# Allegro board 6089-103-RevB_76.brd (continued)
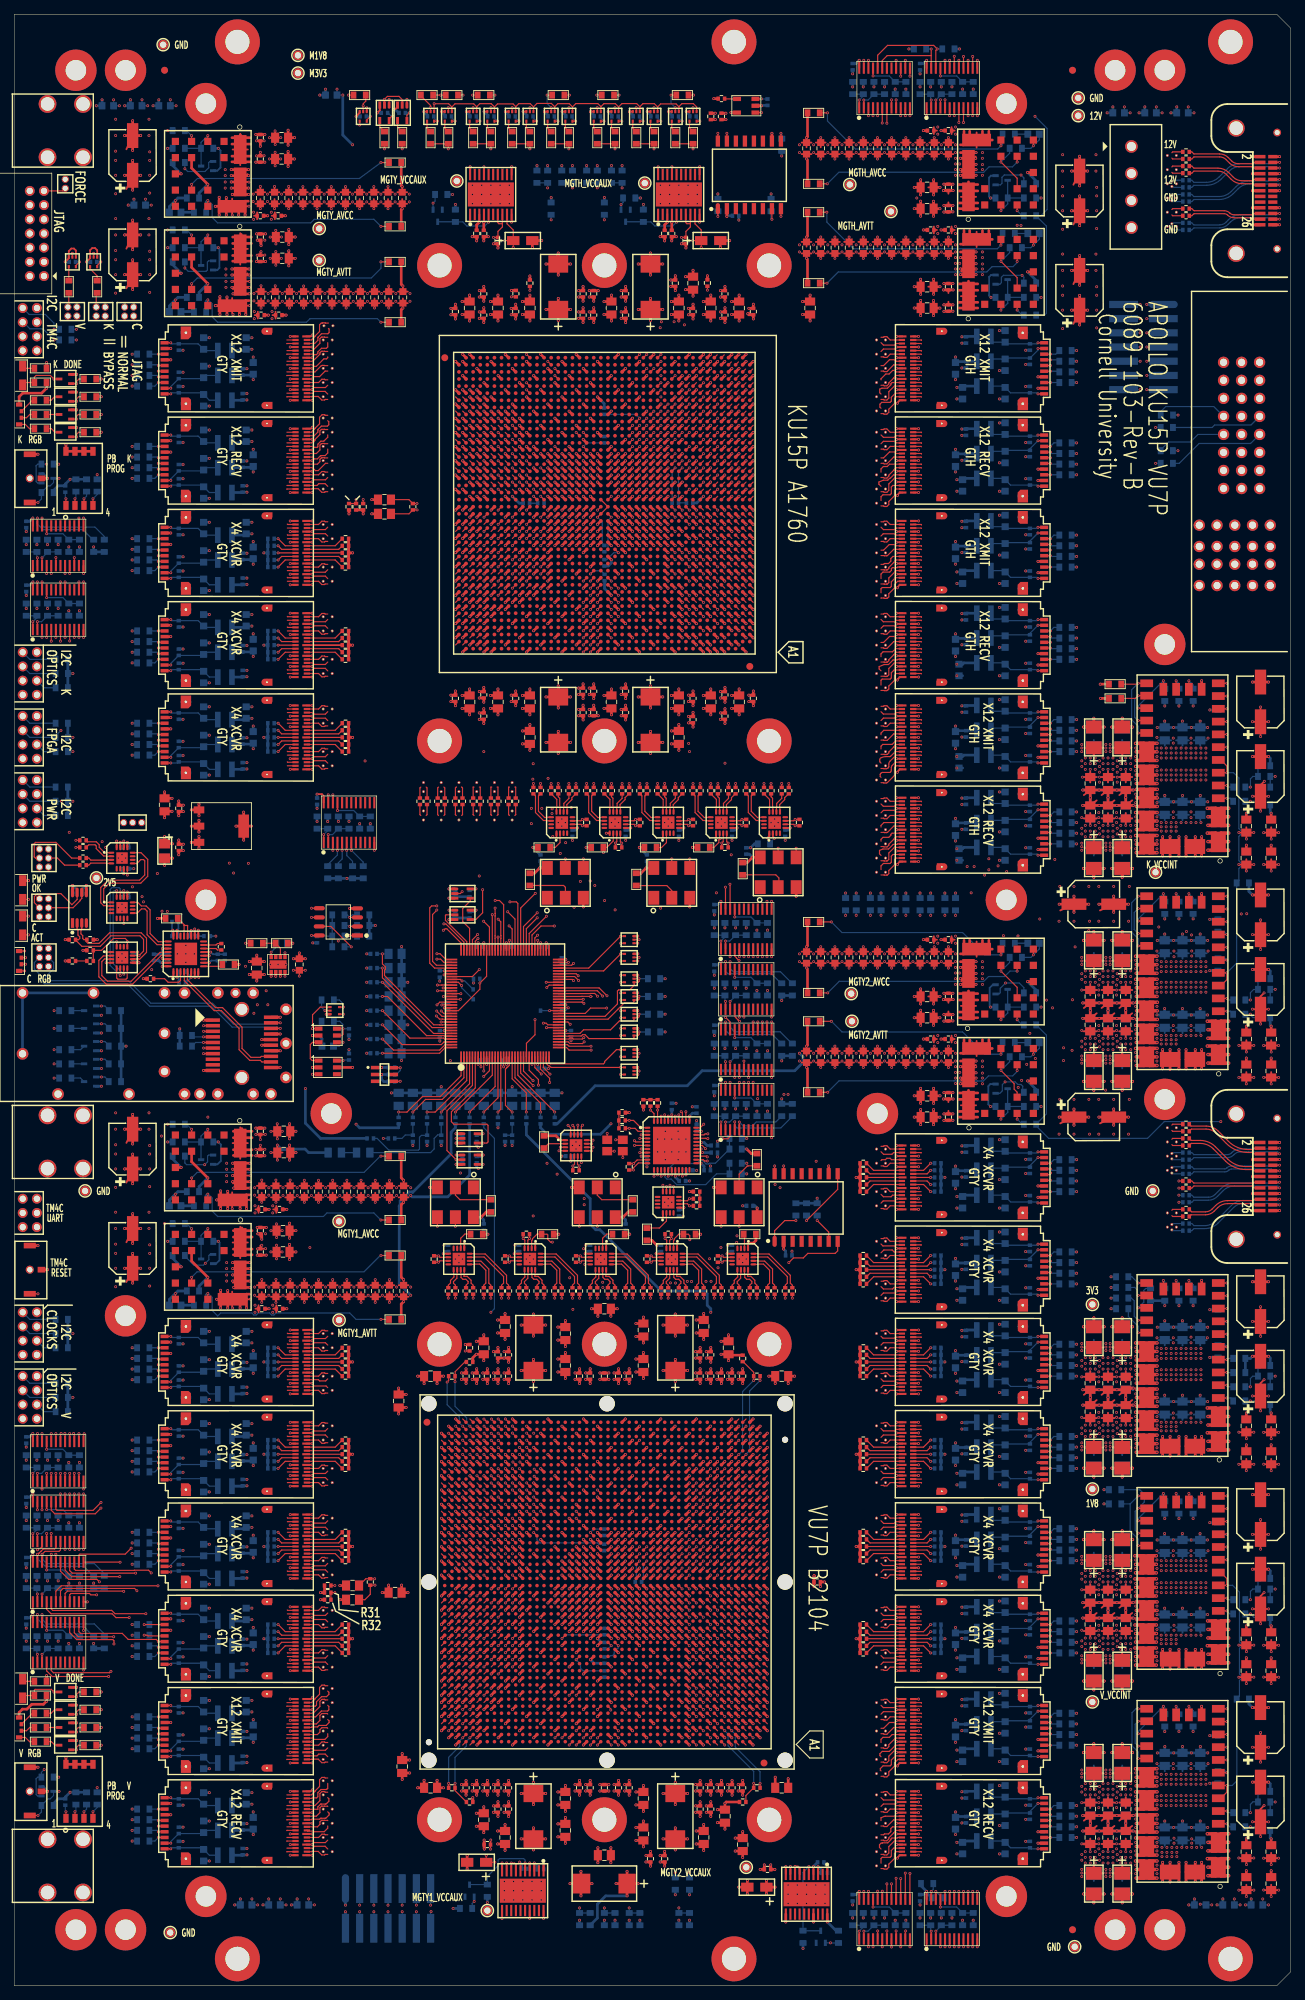
[diagram p0: board, top side]
## Footprints (pads in the part's own frame, mm; a bottom-side part is the same pattern mirrored in y, then rotated) (continued)
unnamed#2
  round 0.991 smd: 1(0,0)
unnamed#3
  round 5.842 hole 2.896: 1(0,0)
VIA_ARRAY_19H10
  round 0.406 hole 0.203: 3(0,0.635) 4(0,-0.635)
VIA_ARRAY_19H10#2
  round 0.406 hole 0.203: 1(-0.381,0) 2(0.381,0) 3(0,0.635) 4(0,-0.635)

## Nets
GND: C5.2 C6.2 C7.2 C8.2 C9.2 C10.2 C11.2 C12.2 C13.2 C15.2 C16.2 C17.2 C18.2 C19.2 C20.2 C21.2 C22.2 C23.2 C24.2 C25.2 C26.2 C27.2 C28.2 C29.2 C30.2 C31.2 C32.2 C33.2 C34.2 C35.2 C36.2 C37.2 C38.2 C39.2 C40.2 C41.2 C42.2 C43.2 C44.2 C45.2 C46.2 C47.2 C48.2 C49.2 C50.2 C51.2 C52.2 C53.2 C54.2 C55.2 C56.2 C57.2 C58.2 C59.2 C60.2 C61.2 C62.2 C63.2 C64.2 C65.2 C66.2 C67.2 C68.2 C69.2 C70.2 C71.2 C72.2 C74.2 C75.2 C76.2 C77.2 C79.2 C80.2 C81.2 C82.2 C83.2 C84.2 C85.2 C86.2 C87.2 C88.2 C89.2 C94.2 C95.2 C99.2 C100.2 C105.2 C106.2 C107.2 C108.2 C111.2 C112.2 C113.2 C114.2 C116.2 C117.2 C118.2 C119.2 C120.2 C122.2 C123.2 C124.2 C125.2 C126.2 C129.2 C130.2 C131.2 C133.2 C134.2 C135.2 C136.2 C138.2 C139.2 C142.2 C143.2 C144.2 C145.2 C146.2 C147.2 C150.2 C152.2 C153.2 C154.2 C156.2 C157.2 C163.2 C164.2 C167.2 C168.2 C169.2 C170.2 C175.2 C176.2 C177.2 C178.2 C179.2 C180.2 C183.2 C184.2 C185.2 C186.2 C187.2 C188.2 C192.2 C193.2 C194.2 C195.2 C196.2 C198.2 C199.2 C202.2 C203.2 C205.2 C206.2 C207.2 C208.2 C209.2 C212.2 C213.2 C216.2 C218.2 C219.2 C220.2 C221.2 C223.2 C224.2 C226.2 C229.2 C231.2 C233.2 C234.2 C236.2 C237.2 C238.2 C239.2 C240.2 C243.2 C245.2 C246.2 C247.2 C248.2 C250.2 C253.2 C254.2 C255.2 C256.2 C258.2 C259.2 C260.2 C261.2 C262.2 C263.2 C265.2 C266.2 C267.2 C268.2 C271.2 C272.2 C274.2 C275.2 C276.2 C277.2 C278.2 C279.2 C280.2 C282.2 C284.2 C285.2 C287.2 C288.2 C290.2 C291.2 C292.2 C295.2 C296.2 C299.2 C302.2 C306.2 C307.2 C311.2 C312.2 C313.2 C314.2 C315.2 C316.2 C317.2 C318.2 C319.2 C320.2 C321.2 C322.2 C323.2 C324.2 C325.2 C326.2 C327.2 C328.2 C329.2 C330.2 C331.2 C332.2 C333.2 C334.2 C335.2 C336.2 C337.2 C338.2 C339.2 C340.2 C341.2 C342.2 C343.2 C344.2 C345.2 C346.2 C347.2 C348.2 C349.2 C350.2 C351.2 C352.2 C353.2 C354.2 C355.2 C356.2 C357.2 C358.2 C359.2 C360.2 C361.2 C362.2 C363.2 C364.2 C365.2 C366.2 C367.2 C368.2 C369.2 C370.2 C371.2 C372.2 C373.2 C374.2 C375.2 C376.2 C377.2 C378.2 C379.2 C380.2 C381.2 C382.2 C383.2 C384.2 C385.2 C386.2 C387.2 C388.2 C389.2 C390.2 C391.2 C392.2 C393.2 C394.2 C395.2 C396.2 C397.2 C398.2 C399.2 C400.2 C401.2 C402.2 C403.2 C404.2 C405.2 C406.2 C407.2 C408.2 C409.2 C410.2 C411.2 C412.2 C413.2 C414.2 C415.2 C416.2 C417.2 C418.2 C419.2 C420.2 C421.2 C422.2 C423.2 C424.2 C425.2 C426.2 C427.2 C428.2 C429.2 C430.2 C431.2 C432.2 C433.2 C434.2 C449.2 C450.2 C451.2 C452.2 C453.2 C454.2 C455.2 C456.2 C457.2 C458.2 C459.2 C460.2 C461.2 C462.2 C463.2 C464.2 C465.2 C466.2 C467.2 C468.2 C469.2 C470.2 C471.2 C472.2 C473.2 C474.2 C475.2 C476.2 C477.2 C478.2 C479.2 C480.2 C481.2 C482.2 C483.2 C484.2 C485.2 C486.2 C487.2 C488.2 C489.2 C490.2 C491.2 C506.2 C507.2 C508.2 C509.2 C510.2 C511.2 C512.2 C513.2 C514.2 C515.2 C516.2 C517.2 C518.2 C519.2 C520.2 C521.2 C522.2 C523.2 C524.2 C525.2 C526.2 C527.2 C528.2 C529.2 C530.2 C531.2 C532.2 C533.2 C534.2 C535.2 C536.2 C537.2 C538.2 C539.2 C540.2 C541.2 C542.2 C543.2 C544.2 C545.2 C546.2 C547.2 C548.2 C549.2 C550.2 C551.2 C552.2 C553.2 C554.2 C555.2 C556.2 C557.2 C558.2 C559.2 C560.2 C561.2 C562.2 C563.2 C564.2 C565.2 C566.2 C567.2 C568.2 C569.2 C570.2 C571.2 C572.2 C573.2 C574.2 C575.2 C576.2 C577.2 C578.2 C583.2 C584.2 C585.2 C586.2 C587.2 C588.2 C589.2 C590.2 C591.2 C592.2 C593.2 C594.2 C595.2 C596.2 C597.2 C598.2 C599.2 C600.2 C601.2 C602.2 C603.2 C604.2 C605.2 C606.2 C607.2 C608.2 C609.2 C610.2 C611.2 C612.2 C613.2 C614.2 C615.2 C616.2 C617.2 C618.2 C619.2 C620.2 C621.2 C622.2 C623.2 C624.2 C625.2 C626.2 C627.2 C628.2 C629.2 C630.2 C631.2 C632.2 C633.2 C634.2 C635.2 C636.2 C637.2 C638.2 C639.2 C640.2 C641.2 C642.2 C643.2 C644.2 C645.2 C646.2 C647.2 C648.2 C649.2 C650.2 C651.2 C652.2 C653.2 C654.2 C655.2 C656.2 C657.2 C658.2 C659.2 C660.2 C661.2 C662.2 C663.2 C664.2 C665.2 C666.2 C667.2 C668.2 C669.2 C670.2 C671.2 C672.2 C673.2 C674.2 C675.2 C676.2 C677.2 C678.2 C679.2 C680.2 C681.2 C682.2 C683.2 C684.2 C685.2 C686.2 C687.2 C688.2 C689.2 C690.2 C691.2 C692.2 C693.2 C694.2 C695.2 C696.2 C697.2 C698.2 C699.2 C700.2 C701.2 C702.2 C703.2 C704.2 C705.2 C706.2 C707.2 C708.2 C709.2 C710.2 C711.2 C712.2 C713.2 C714.2 C715.2 C716.2 C717.2 C718.2 C719.2 C720.2 C721.2 C722.2 C723.2 C724.2 C725.2 C726.2 C727.2 C728.2 C729.2 C730.2 C731.2 C732.2 C733.2 C734.2 C735.2 C736.2 C737.2 C738.2 C739.2 C740.2 C741.2 C742.2 C743.2 C744.2 C745.2 C746.2 C747.2 C748.2 C749.2 C750.2 C751.2 C752.2 C753.2 C754.2 C755.2 C756.2 C757.2 C758.2 C759.2 C760.2 C761.2 C762.2 C763.2 C764.2 C765.2 C766.2 C767.2 C768.2 C769.2 C770.2 C771.2 C772.2 C773.2 C774.2 C775.2 C776.2 C777.2 C778.2 C779.2 C780.2 C781.2 C782.2 C783.2 C784.2 C785.2 C786.2 C787.2 C788.2 C789.2 C790.2 C791.2 C792.2 C793.2 C794.2 C795.2 C796.2 C797.2 C798.2 C799.2 C800.2 C801.2 C802.2 C803.2 C804.2 C805.2 C806.2 C807.2 C808.2 C809.2 C810.2 C811.2 C812.2 C813.2 C814.2 C815.2 C816.2 C817.2 C818.2 C819.2 C820.2 C821.2 C822.2 C823.2 C824.2 C825.2 C826.2 C827.2 C828.2 C829.2 C830.2 C831.2 C832.2 C833.2 C834.2 C835.2 C836.2 C837.2 C838.2 C839.2 C840.2 C841.2 C842.2 C843.2 C844.2 C845.2 C846.2 C847.2 C848.2 C849.2 C850.2 C851.2 C852.2 C853.2 C854.2 C855.2 C856.2 C857.2 C858.2 C859.2 C860.2 C861.2 C862.2 C863.2 C864.2 C865.2 C866.2 C867.2 C868.2 C869.2 C870.2 C871.2 C872.2 C873.2 C874.2 C875.2 C876.2 C877.2 C878.2 C879.2 C880.2 C881.2 C882.2 C883.2 C884.2 C885.2 C886.2 C887.2 C888.2 C889.2 C890.2 C891.2 C892.2 C893.2 C894.2 C895.2 C896.2 C897.2 C898.2 C899.2 C900.2 C901.2 C902.2 C903.2 C904.2 C905.2 C906.2 C907.2 C908.2 C909.2 C910.2 C911.2 C912.2 C913.2 C914.2 C915.2 C916.2 C917.2 C918.2 C919.2 C920.2 C921.2 C922.2 C923.2 C924.2 C925.2 C926.2 C927.2 C928.2 C929.2 C930.2 C931.2 C932.2 C933.2 C934.2 C935.2 C936.2 C937.2 C938.2 C939.2 C940.2 C941.2 C942.2 C943.2 C944.2 C945.2 C946.2 C947.2 C948.2 C949.2 C950.2 C951.2 C952.2 C955.2 C956.2 C959.2 C960.2 C961.2 C962.2 C963.2 C964.2 C965.2 C966.2 C967.2 C968.2 C969.2 C970.2 C971.2 C972.2 C973.2 C974.2 C975.2 C976.2 C977.2 J1.1 J1.3 J1.5 J1.7 J1.9 J1.11 J2.7 J2.8 J3.7 J3.8 J4.7 J4.8 J5.7 J5.8 J6.1 J6.5 J7.7 J7.8 J8.7 J8.8 J12.1 J16.1 J17.3 J17.4 J18.1 J19.1 L2.1 L4.1 P1.9 P1.10 P1.11 P1.12 P1.13 P1.14 P1.15 P1.16 P1.P2-1 P1.P2-2 P1.P2-3 P1.P2-4 P1.P2-5 P1.P2-6 P1.P2-7 P1.P2-8 P1.P2-9 P1.P2-10 P2.1 P2.2 P2.7 P2.8 P2.13 P2.14 P2.19 P2.20 P2.25 P2.26 P3.1 P3.2 P3.7 P3.8 P3.13 P3.14 P3.19 P3.20 P3.25 P3.26 PM21.1 PM22.1 PM23.1 PM24.1 PM25.1 PM26.1 Q1.2 Q2.2 Q3.2 Q4.2 Q5.2 Q6.2 Q7.2 Q8.2 Q9.2 Q10.2 Q11.2 Q12.2 Q17.2 Q18.2 Q19.2 Q20.2 Q21.2 Q22.2 Q23.2 Q24.2 Q25.2 Q26.2 Q27.2 R13.2 R15.1 R16.1 R17.1 R22.1 R23.1 R24.1 R26.2 R27.2 R29.2 R30.1 R31.1 R33.1 R34.1 R35.1 R36.1 R37.1 R38.1 R39.1 R40.1 R41.1 R42.1 R43.1 R44.1 R45.1 R46.1 R47.1 R48.1 R49.1 R50.1 R51.1 R52.1 R53.1 R54.1 R55.1 R56.1 R57.1 R58.1 R59.1 R60.1 R61.1 R62.1 R63.1 R64.1 R65.1 R66.1 R67.1 R69.1 R71.1 R73.2 R75.2 R77.2 R79.2 R89.1 R93.1 R99.1 R102.1 R104.1 R105.2 R106.2 R114.2 R118.1 R126.2 R128.1 R135.2 R140.2 R141.1 R148.1 R154.2 R156.2 R158.2 R160.2 R161.1 R162.1 R163.1 R164.1 R165.1 R166.1 R167.1 R168.1 R169.1 R170.1 R171.1 R172.1 R173.1 R174.1 R175.1 R176.1 R177.1 R178.1 R179.1 R180.1 R181.1 R182.1 R183.1 R184.1 R185.1 R186.1 R187.1 R188.1 R189.1 R190.1 R192.2 R193.2 R196.2 R197.2 R200.2 R201.2 R204.2 R205.2 R208.2 R209.2 R212.2 R213.2 R214.2 R219.2 R220.2 R227.2 R228.2 R229.2 R230.2 R231.2 R232.2 R233.2 R234.2 R235.2 R236.2 R237.2 R238.2 R239.2 R240.2 R241.2 R242.2 R243.2 R244.2 R245.2 R246.2 R247.2 R248.2 R249.2 R250.2 R252.2 R253.2 R255.2 R313.1 R316.1 R319.1 R322.1 R333.2 R334.2 R335.2 R336.2 R337.1 R338.1 R342.1 R343.1 R348.1 R349.1 R350.1 R351.1 R352.1 R353.1 R354.1 R355.1 R356.1 R357.1 R358.1 R359.1 R360.1 R361.1 R362.1 R363.1 R364.1 R365.1 R366.1 R367.1 R368.1 R369.1 R370.1 R371.1 R372.1 R373.1 R374.1 R375.1 R376.1 R377.1 R379.1 R381.1 R387.1 R389.1 R393.1 R394.1 R399.1 R400.1 R405.1 R418.1 R419.1 R420.1 R421.1 R422.1 R427.1 R428.1 R429.1 R430.1 R435.1 R437.1 R439.1 R440.1 R441.1 R442.1 R449.1 R451.1 R454.1 R455.1 R456.1 R457.1 R460.1 R461.1 R462.1 R465.1 R466.1 R467.1 R468.1 R469.1 R470.1 R471.1 R472.1 R473.1 R474.1 R475.1 R476.1 R477.1 R480.1 R481.1 R485.1 R493.2 R498.1 R501.1 R503.2 R505.2 R507.2 R518.1 R521.1 R522.1 R523.1 R527.1 R535.1 R540.1 R541.1 R542.1 R543.1 R544.1 R545.1 R546.1 R547.1 R548.1 R549.1 R550.1 R551.1 R552.1 R553.1 R554.1 R555.1 R556.1 R557.1 R558.1 R559.1 R560.1 R561.1 R562.1 R563.1 R564.1 R565.1 R566.1 R567.1 R568.1 R569.1 R570.1 R571.1 R572.1 R573.1 R574.1 R575.2 R576.2 R577.2 R578.2 R591.1 R594.1 R597.1 R600.1 R645.2 R646.2 R647.1 R648.1 R649.1 R660.1 R661.1 R662.1 R663.1 R664.1 R665.1 R698.1 R699.1 R700.1 R701.1 R702.1 R703.1 R704.1 R712.1 R714.1 R715.1 R716.1 R717.1 R718.1 R719.1 SW1.1 SW1.3(G) SW2.1 SW2.3(G) SW3.1 SW3.3(G) SW4.5(B4) SW4.6 SW4.7 SW4.8 SW5.5(B4) SW5.6 SW5.7 SW5.8 U1.12 U2.12 U3.12 U4.12 U5.12 U6.12 U7.1 U7.3 U8.5 U9.1 U9.3 U10.13 U10.15 U10.17 U11.13 U11.17 U12.9 U12.17 U13.1 U13.10 U13.11 U13.14 U13.17 U13.20 U13.21 U13.22 U13.23 U13.24 U13.25 U13.26 U13.27 U13.28 U13.29 U13.30 U13.31 U13.32 U13.33 U13.34 U13.35 U13.36 U13.37 U13.38 U13.39 U13.40 U14.6 U14.7 U14.8 U14.13 U14.17 U14.19 U14.23 U14.27 U14.30 U14.33 U15.2 U15.15 U16.2 U16.15 U17.2 U17.15 U18.2 U18.15 U19.2 U19.4(TAB_GND) U20.2 U20.4 U20.A1 U20.A4 U20.A7 U20.A10 U20.A13 U20.A16 U20.A19 U20.B1 U20.B4 U20.B7(GND_B7) U20.B10 U20.B13 U20.B16 U20.B19 U20.G1 U20.G2 U21.2 U21.4 U21.A1 U21.A4 U21.A7 U21.A10 U21.A13 U21.A16 U21.A19 U21.B1 U21.B4 U21.B7(GND_B7) U21.B10 U21.B13 U21.B16 U21.B19 U21.G1 U21.G2 U22.2 U22.4 U22.A1 U22.A4 U22.A7 U22.A13 U22.A16 U22.A19 U22.B1 U22.B4 U22.B7 U22.B13 U22.B16 U22.B19 U22.G1 U22.G2 U23.2 U23.4 U23.A1 U23.A4 U23.A7 U23.A13 U23.A16 U23.A19 U23.B1 U23.B4 U23.B7 U23.B13 U23.B16 U23.B19 U23.G1 U23.G2 U24.2 U24.4 U24.A1 U24.A4 U24.A7 U24.A13 U24.A16 U24.A19 U24.B1 U24.B4 U24.B7 U24.B13 U24.B16 U24.B19 U24.G1 U24.G2 U25.2 U25.4 U25.A1 U25.A4 U25.A7 U25.A13 U25.A16 U25.A19 U25.B1 U25.B4 U25.B7 U25.B13 U25.B16 U25.B19 U25.G1 U25.G2 U26.2 U26.4 U26.A1 U26.A4 U26.A7 U26.A13 U26.A16 U26.A19 U26.B1 U26.B4 U26.B7 U26.B13 U26.B16 U26.B19 U26.G1 U26.G2 U27.2 U27.4 U27.A1 U27.A4 U27.A7 U27.A13 U27.A16 U27.A19 U27.B1 U27.B4 U27.B7 U27.B13 U27.B16 U27.B19 U27.G1 U27.G2 U28.2 U28.4 U28.A1 U28.A4 U28.A7 U28.A13 U28.A16 U28.A19 U28.B1 U28.B4 U28.B7 U28.B13 U28.B16 U28.B19 U28.G1 U28.G2 U29.2 U29.4 U29.A1 U29.A4 U29.A7 U29.A10 U29.A13 U29.A16 U29.A19 U29.B1 U29.B4 U29.B7(GND_B7) U29.B10 U29.B13 U29.B16 U29.B19 U29.G1 U29.G2 U30.2 U30.4 U30.A1 U30.A4 U30.A7 U30.A10 U30.A13 U30.A16 U30.A19 U30.B1 U30.B4 U30.B7(GND_B7) U30.B10 U30.B13 U30.B16 U30.B19 U30.G1 U30.G2 U31.3 U31.9 U32.2 U33.2 U34.3 U35.4 U36.12 U37.1 U37.3 U38.3 U39.1 U39.2 U40.3 U41.3 U42.3 U43.3 U44.1 U44.17 U45.3 U46.3 U47.3 U48.3 U49.3 U50.3 U51.1 U51.10 U51.11 U51.17 U51.20 U51.21 U52.10 U52.17 U52.48 U52.64 U52.66 U52.80 U52.88 U52.114 U53.3 U54.1 U54.10 U54.11 U54.17 U54.20 U54.21 U55.3 U56.1 U56.17 U57.3 U58.1 U58.17 U59.3 U60.3 U61.1 U61.17 U62.3 U63.3 U64.1 U64.17 U65.A2 U65.A5 U65.A6 U65.A7 U65.A8 U65.A12 U65.A17 U65.A22 U65.A27 U65.A32 U65.A37 U65.A38 U65.A41 U65.AA1 U65.AA2 U65.AA5 U65.AA9 U65.AA13 U65.AA15 U65.AA17 U65.AA19 U65.AA23 U65.AA25 U65.AA27 U65.AA29 U65.AA33 U65.AA37 U65.AA40 U65.AA41 U65.AA42 U65.AB3 U65.AB4 U65.AB7 U65.AB11 U65.AB13 U65.AB14 U65.AB16 U65.AB18 U65.AB20 U65.AB24 U65.AB26 U65.AB28 U65.AB29 U65.AB35 U65.AB38 U65.AB39 U65.AB40 U65.AC1 U65.AC2 U65.AC5 U65.AC9 U65.AC13 U65.AC15 U65.AC17 U65.AC19 U65.AC23 U65.AC25 U65.AC27 U65.AC29 U65.AC33 U65.AC37 U65.AC38 U65.AC41 U65.AC42 U65.AD3 U65.AD4 U65.AD7 U65.AD11 U65.AD13 U65.AD14 U65.AD16 U65.AD18 U65.AD20 U65.AD22 U65.AD24 U65.AD26 U65.AD28 U65.AD29 U65.AD31 U65.AD35 U65.AD38 U65.AD39 U65.AD40 U65.AE1 U65.AE2 U65.AE5 U65.AE9 U65.AE13 U65.AE15 U65.AE17 U65.AE19 U65.AE21 U65.AE23 U65.AE25 U65.AE27 U65.AE29 U65.AE33 U65.AE37 U65.AE38 U65.AE41 U65.AE42 U65.AF3 U65.AF4 U65.AF7 U65.AF13 U65.AF14 U65.AF16 U65.AF18 U65.AF20 U65.AF22 U65.AF24 U65.AF26 U65.AF28 U65.AF29 U65.AF31 U65.AF35 U65.AF38 U65.AF39 U65.AF40 U65.AG1 U65.AG2 U65.AG5 U65.AG9 U65.AG13 U65.AG15 U65.AG17 U65.AG19 U65.AG21 U65.AG23 U65.AG25 U65.AG27 U65.AG29 U65.AG33 U65.AG37 U65.AG38 U65.AG41 U65.AG42 U65.AH3 U65.AH4 U65.AH7 U65.AH11 U65.AH13 U65.AH14 U65.AH16 U65.AH18 U65.AH20 U65.AH22 U65.AH24 U65.AH26 U65.AH28 U65.AH29 U65.AH30 U65.AH31 U65.AH35 U65.AH38 U65.AH39 U65.AH40 U65.AJ1 U65.AJ2 U65.AJ5 U65.AJ9 U65.AJ13 U65.AJ14 U65.AJ16 U65.AJ21 U65.AJ26 U65.AJ31 U65.AJ32 U65.AJ33 U65.AJ37 U65.AJ38 U65.AJ41 U65.AJ42 U65.AK3 U65.AK4 U65.AK7 U65.AK11 U65.AK13 U65.AK14 U65.AK19 U65.AK24 U65.AK29 U65.AK33 U65.AK35 U65.AK38 U65.AK39 U65.AK40 U65.AL1 U65.AL2 U65.AL5 U65.AL9 U65.AL13 U65.AL22 U65.AL27 U65.AL32 U65.AL33 U65.AL37 U65.AL38 U65.AL41 U65.AL42 U65.AM3 U65.AM4 U65.AM7 U65.AM11 U65.AM12 U65.AM13 U65.AM15 U65.AM20 U65.AM25 U65.AM30 U65.AM33 U65.AM35 U65.AM38 U65.AM39 U65.AM40 U65.AN1 U65.AN2 U65.AN5 U65.AN9 U65.AN11 U65.AN18 U65.AN23 U65.AN28 U65.AN33 U65.AN34 U65.AN35 U65.AN37 U65.AN38 U65.AN41 U65.AN42 U65.AP3 U65.AP4 U65.AP7 U65.AP11 U65.AP16 U65.AP34 U65.AP35 U65.AP36 U65.AP37 U65.AP38 U65.AP39 U65.AP40 U65.AR1 U65.AR2 U65.AR5 U65.AR9 U65.AR11 U65.AR14 U65.AR19 U65.AR24 U65.AR29 U65.AR38 U65.AR41 U65.AR42 U65.AT3 U65.AT4 U65.AT7 U65.AT11 U65.AT12 U65.AT22 U65.AT27 U65.AT32 U65.AT37 U65.AT38 U65.AT39 U65.AT40 U65.AU1 U65.AU2 U65.AU5 U65.AU9 U65.AU11 U65.AU15 U65.AU35 U65.AU39 U65.AU40 U65.AU41 U65.AU42 U65.AV3 U65.AV4 U65.AV7 U65.AV11 U65.AV18 U65.AV23 U65.AV28 U65.AV38 U65.AW1 U65.AW2 U65.AW5 U65.AW6 U65.AW9 U65.AW10 U65.AW11 U65.AW21 U65.AW26 U65.AW31 U65.AW41 U65.AY3 U65.AY4 U65.AY7 U65.AY8 U65.AY9 U65.AY14 U65.AY34 U65.AY39 U65.B3 U65.B4 U65.B7 U65.B8 U65.B9 U65.B20 U65.B25 U65.B30 U65.B35 U65.B38 U65.B39 U65.B40 U65.BA1 U65.BA2 U65.BA5 U65.BA6 U65.BA7 U65.BA8 U65.BA12 U65.BA17 U65.BA22 U65.BA27 U65.BA32 U65.BA37 U65.BA41 U65.BA42 U65.BB2 U65.BB3 U65.BB4 U65.BB7 U65.BB8 U65.BB10 U65.BB15 U65.BB20 U65.BB25 U65.BB30 U65.BB35 U65.BB40 U65.BB41 U65.C1 U65.C2 U65.C5 U65.C6 U65.C9 U65.C10 U65.C11 U65.C13 U65.C23 U65.C33 U65.C38 U65.C41 U65.C42 U65.D3 U65.D4 U65.D7 U65.D11 U65.D16 U65.D21 U65.D26 U65.D36 U65.D38 U65.D39 U65.D40 U65.E1 U65.E2 U65.E5 U65.E9 U65.E11 U65.E19 U65.E29 U65.E38 U65.E41 U65.E42 U65.F3 U65.F4 U65.F7 U65.F11 U65.F12 U65.F22 U65.F32 U65.F37 U65.F38 U65.F39 U65.F40 U65.G1 U65.G2 U65.G5 U65.G9 U65.G11 U65.G15 U65.G20 U65.G25 U65.G35 U65.G36 U65.G37 U65.G38 U65.G41 U65.G42 U65.H3 U65.H4 U65.H7 U65.H11 U65.H18 U65.H28 U65.H33 U65.H34 U65.H35 U65.H38 U65.H39 U65.H40 U65.J1 U65.J2 U65.J5 U65.J9 U65.J11 U65.J21 U65.J31 U65.J32 U65.J33 U65.J37 U65.J38 U65.J41 U65.J42 U65.K3 U65.K4 U65.K7 U65.K11 U65.K12 U65.K13 U65.K14 U65.K24 U65.K29 U65.K30 U65.K31 U65.K35 U65.K38 U65.K39 U65.K40 U65.L1 U65.L2 U65.L5 U65.L9 U65.L13 U65.L17 U65.L27 U65.L29 U65.L33 U65.L37 U65.L38 U65.L41 U65.L42 U65.M3 U65.M4 U65.M7 U65.M11 U65.M13 U65.M20 U65.M25 U65.M29 U65.M31 U65.M35 U65.M38 U65.M39 U65.M40 U65.N1 U65.N2 U65.N5 U65.N9 U65.N13 U65.N18 U65.N23 U65.N29 U65.N33 U65.N37 U65.N38 U65.N41 U65.N42 U65.P3 U65.P4 U65.P7 U65.P11 U65.P13 U65.P16 U65.P21 U65.P26 U65.P29 U65.P31 U65.P35 U65.P38 U65.P39 U65.P40 U65.R1 U65.R2 U65.R5 U65.R9 U65.R13 U65.R19 U65.R24 U65.R29 U65.R33 U65.R37 U65.R40 U65.R41 U65.R42 U65.T3 U65.T4 U65.T7 U65.T11 U65.T13 U65.T14 U65.T16 U65.T18 U65.T20 U65.T22 U65.T24 U65.T26 U65.T28 U65.T29 U65.T31 U65.T35 U65.T39 U65.T40 U65.U1 U65.U2 U65.U5 U65.U9 U65.U13 U65.U15 U65.U17 U65.U19 U65.U21 U65.U23 U65.U25 U65.U27 U65.U29 U65.U33 U65.U37 U65.U40 U65.U41 U65.U42 U65.V3 U65.V4 U65.V7 U65.V11 U65.V13 U65.V14 U65.V16 U65.V18 U65.V20 U65.V22 U65.V24 U65.V26 U65.V28 U65.V29 U65.V31 U65.V35 U65.V39 U65.V40 U65.W1 U65.W2 U65.W5 U65.W9 U65.W13 U65.W15 U65.W17 U65.W19 U65.W21 U65.W23 U65.W25 U65.W27 U65.W29 U65.W33 U65.W37 U65.W40 U65.W41 U65.W42 U65.Y3 U65.Y4 U65.Y7 U65.Y11 U65.Y13 U65.Y14 U65.Y16 U65.Y18 U65.Y20 U65.Y24 U65.Y26 U65.Y28 U65.Y29 U65.Y31 U65.Y35 U65.Y39 U65.Y40 U66.A3 U66.A6 U66.A10 U66.A12 U66.A21 U66.A31 U66.A41 U66.A44 U66.AA1 U66.AA2 U66.AA5 U66.AA6 U66.AA7 U66.AA10 U66.AA13 U66.AA15 U66.AA17 U66.AA19 U66.AA21 U66.AA23 U66.AA25 U66.AA27 U66.AA29 U66.AA31 U66.AA35 U66.AA38 U66.AA42 U66.AA43 U66.AA44 U66.AB3 U66.AB4 U66.AB5 U66.AB8 U66.AB12 U66.AB14 U66.AB16 U66.AB18 U66.AB20 U66.AB22 U66.AB24 U66.AB26 U66.AB28 U66.AB30 U66.AB35 U66.AB37 U66.AB40 U66.AB42 U66.AB45 U66.AB46 U66.AC1 U66.AC2 U66.AC5 U66.AC7 U66.AC10 U66.AC15 U66.AC17 U66.AC19 U66.AC21 U66.AC23 U66.AC25 U66.AC27 U66.AC29 U66.AC35 U66.AC39 U66.AC42 U66.AC43 U66.AC44 U66.AD3 U66.AD4 U66.AD5 U66.AD9 U66.AD14 U66.AD16 U66.AD18 U66.AD20 U66.AD22 U66.AD24 U66.AD26 U66.AD28 U66.AD32 U66.AD35 U66.AD37 U66.AD41 U66.AD42 U66.AD45 U66.AD46 U66.AE1 U66.AE2 U66.AE5 U66.AE6 U66.AE10 U66.AE17 U66.AE19 U66.AE21 U66.AE23 U66.AE25 U66.AE27 U66.AE29 U66.AE35 U66.AE38 U66.AE42 U66.AE43 U66.AE44 U66.AF3 U66.AF4 U66.AF5 U66.AF8 U66.AF12 U66.AF14 U66.AF16 U66.AF20 U66.AF22 U66.AF24 U66.AF26 U66.AF28 U66.AF35 U66.AF36 U66.AF40 U66.AF42 U66.AF45 U66.AF46 U66.AG1 U66.AG2 U66.AG5 U66.AG7 U66.AG11 U66.AG17 U66.AG21 U66.AG23 U66.AG25 U66.AG27 U66.AG33 U66.AG35 U66.AG39 U66.AG42 U66.AG43 U66.AG44 U66.AH3 U66.AH4 U66.AH5 U66.AH9 U66.AH14 U66.AH16 U66.AH20 U66.AH22 U66.AH24 U66.AH26 U66.AH30 U66.AH35 U66.AH37 U66.AH41 U66.AH42 U66.AH45 U66.AH46 U66.AJ1 U66.AJ2 U66.AJ5 U66.AJ6 U66.AJ10 U66.AJ13 U66.AJ15 U66.AJ17 U66.AJ21 U66.AJ23 U66.AJ25 U66.AJ35 U66.AJ38 U66.AJ42 U66.AJ43 U66.AJ44 U66.AK3 U66.AK4 U66.AK5 U66.AK8 U66.AK14 U66.AK16 U66.AK18 U66.AK20 U66.AK22 U66.AK24 U66.AK34 U66.AK35 U66.AK37 U66.AK40 U66.AK42 U66.AK45 U66.AK46 U66.AL1 U66.AL2 U66.AL5 U66.AL7 U66.AL11 U66.AL31 U66.AL35 U66.AL39 U66.AL42 U66.AL43 U66.AL44 U66.AM3 U66.AM4 U66.AM5 U66.AM9 U66.AM12 U66.AM18 U66.AM28 U66.AM35 U66.AM37 U66.AM41 U66.AM42 U66.AM45 U66.AM46 U66.AN1 U66.AN2 U66.AN5 U66.AN6 U66.AN10 U66.AN12 U66.AN15 U66.AN25 U66.AN35 U66.AN38 U66.AN42 U66.AN43 U66.AN44 U66.AP3 U66.AP4 U66.AP5 U66.AP8 U66.AP12 U66.AP22 U66.AP32 U66.AP35 U66.AP36 U66.AP40 U66.AP42 U66.AP45 U66.AP46 U66.AR1 U66.AR2 U66.AR5 U66.AR7 U66.AR11 U66.AR12 U66.AR19 U66.AR29 U66.AR35 U66.AR39 U66.AR42 U66.AR43 U66.AR44 U66.AT3 U66.AT4 U66.AT5 U66.AT9 U66.AT12 U66.AT16 U66.AT26 U66.AT35 U66.AT37 U66.AT41 U66.AT42 U66.AT45 U66.AT46 U66.AU1 U66.AU2 U66.AU5 U66.AU6 U66.AU10 U66.AU12 U66.AU23 U66.AU33 U66.AU35 U66.AU38 U66.AU42 U66.AU43 U66.AU44 U66.AV3 U66.AV4 U66.AV5 U66.AV8 U66.AV12 U66.AV20 U66.AV30 U66.AV35 U66.AV36 U66.AV37 U66.AV40 U66.AV42 U66.AV45 U66.AV46 U66.AW1 U66.AW2 U66.AW5 U66.AW6 U66.AW10 U66.AW11 U66.AW12 U66.AW17 U66.AW27 U66.AW37 U66.AW39 U66.AW42 U66.AW43 U66.AW44 U66.AY1 U66.AY2 U66.AY3 U66.AY4 U66.AY5 U66.AY6 U66.AY7 U66.AY8 U66.AY9 U66.AY10 U66.AY14 U66.AY24 U66.AY34 U66.AY37 U66.AY41 U66.AY42 U66.AY43 U66.AY44 U66.AY45 U66.AY46 U66.B2 U66.B4 U66.B5 U66.B6 U66.B7 U66.B8 U66.B12 U66.B18 U66.B28 U66.B38 U66.B41 U66.B44 U66.B45 U66.BA3 U66.BA6 U66.BA11 U66.BA21 U66.BA31 U66.BA37 U66.BA38 U66.BA39 U66.BA44 U66.BB1 U66.BB2 U66.BB3 U66.BB6 U66.BB8 U66.BB18 U66.BB28 U66.BB39 U66.BB40 U66.BB41 U66.BB44 U66.BB45 U66.BB46 U66.BC3 U66.BC4 U66.BC6 U66.BC15 U66.BC25 U66.BC35 U66.BC41 U66.BC42 U66.BC44 U66.BD1 U66.BD3 U66.BD6 U66.BD12 U66.BD22 U66.BD32 U66.BD41 U66.BD44 U66.BD46 U66.BE2 U66.BE3 U66.BE5 U66.BE6 U66.BE9 U66.BE19 U66.BE29 U66.BE39 U66.BE41 U66.BE45 U66.BF3 U66.BF6 U66.BF16 U66.BF26 U66.BF36 U66.BF41 U66.BF44 U66.C1 U66.C2 U66.C5 U66.C11 U66.C12 U66.C15 U66.C25 U66.C35 U66.C41 U66.C44 U66.C46 U66.D3 U66.D4 U66.D5 U66.D9 U66.D12 U66.D22 U66.D32 U66.D41 U66.D42 U66.D44 U66.E1 U66.E2 U66.E5 U66.E6 U66.E10 U66.E12 U66.E19 U66.E29 U66.E41 U66.E44 U66.E45 U66.E46 U66.F3 U66.F4 U66.F5 U66.F8 U66.F12 U66.F16 U66.F26 U66.F36 U66.F39 U66.F40 U66.F41 U66.F44 U66.G1 U66.G2 U66.G5 U66.G7 U66.G11 U66.G12 U66.G13 U66.G23 U66.G33 U66.G39 U66.G42 U66.G43 U66.G44 U66.G45 U66.G46 U66.H3 U66.H4 U66.H5 U66.H9 U66.H12 U66.H20 U66.H30 U66.H39 U66.H41 U66.H42 U66.H45 U66.H46 U66.J1 U66.J2 U66.J5 U66.J6 U66.J10 U66.J12 U66.J17 U66.J27 U66.J37 U66.J38 U66.J39 U66.J42 U66.J43 U66.J44 U66.K3 U66.K4 U66.K5 U66.K8 U66.K12 U66.K14 U66.K24 U66.K35 U66.K36 U66.K37 U66.K40 U66.K42 U66.K45 U66.K46 U66.L1 U66.L2 U66.L5 U66.L7 U66.L11 U66.L12 U66.L21 U66.L31 U66.L35 U66.L39 U66.L42 U66.L43 U66.L44 U66.M3 U66.M4 U66.M5 U66.M9 U66.M12 U66.M18 U66.M28 U66.M35 U66.M37 U66.M41 U66.M42 U66.M45 U66.M46 U66.N1 U66.N2 U66.N5 U66.N6 U66.N10 U66.N12 U66.N15 U66.N25 U66.N35 U66.N38 U66.N42 U66.N43 U66.N44 U66.P3 U66.P4 U66.P5 U66.P8 U66.P12 U66.P22 U66.P32 U66.P35 U66.P36 U66.P40 U66.P42 U66.P45 U66.P46 U66.R1 U66.R2 U66.R5 U66.R7 U66.R10 U66.R19 U66.R29 U66.R35 U66.R39 U66.R42 U66.R43 U66.R44 U66.T3 U66.T4 U66.T5 U66.T9 U66.T12 U66.T14 U66.T16 U66.T18 U66.T20 U66.T22 U66.T24 U66.T35 U66.T37 U66.T41 U66.T42 U66.T45 U66.T46 U66.U1 U66.U2 U66.U5 U66.U6 U66.U10 U66.U13 U66.U15 U66.U17 U66.U19 U66.U21 U66.U23 U66.U25 U66.U27 U66.U33 U66.U35 U66.U38 U66.U42 U66.U43 U66.U44 U66.V3 U66.V4 U66.V5 U66.V8 U66.V14 U66.V16 U66.V18 U66.V20 U66.V22 U66.V24 U66.V26 U66.V28 U66.V30 U66.V35 U66.V36 U66.V40 U66.V42 U66.V45 U66.V46 U66.W1 U66.W2 U66.W5 U66.W7 U66.W11 U66.W13 U66.W15 U66.W17 U66.W19 U66.W21 U66.W23 U66.W25 U66.W27 U66.W29 U66.W35 U66.W39 U66.W42 U66.W43 U66.W44 U66.Y3 U66.Y4 U66.Y5 U66.Y9 U66.Y14 U66.Y16 U66.Y18 U66.Y20 U66.Y22 U66.Y24 U66.Y26 U66.Y28 U66.Y34 U66.Y35 U66.Y37 U66.Y41 U66.Y42 U66.Y45 U66.Y46 U67.3 U68.1 U68.17 U69.3 U70.3 U71.3 U72.3 U73.3 U74.3 U75.3 U76.3 U77.3 U78.3 U79.1 U79.17 U80.1 U80.17 U81.45 U82.3 U83.1 U83.17 U84.3 U85.1 U85.10 U85.11 U85.17 U85.20 U85.21 U86.3 U87.1 U87.17 U88.3 U89.1 U89.17 U90.2 U91.12 U92.12 U93.12 U94.12 U95.10 U96.1 U96.17 U97.3 U98.10 U99.1 U99.10 U99.11 U99.17 U99.20 U99.21 U100.12 U101.12 U102.12 U103.12 U104.2 U104.4 U104.A1 U104.A4 U104.A7 U104.A10 U104.A13 U104.A16 U104.A19 U104.B1 U104.B4 U104.B7(GND_B7) U104.B10 U104.B13 U104.B16 U104.B19 U104.G1 U104.G2 U105.2 U105.4 U105.A1 U105.A4 U105.A7 U105.A10 U105.A13 U105.A16 U105.A19 U105.B1 U105.B4 U105.B7(GND_B7) U105.B10 U105.B13 U105.B16 U105.B19 U105.G1 U105.G2 U106.2 U106.4 U106.A1 U106.A4 U106.A7 U106.A10 U106.A13 U106.A16 U106.A19 U106.B1 U106.B4 U106.B7(GND_B7) U106.B10 U106.B13 U106.B16 U106.B19 U106.G1 U106.G2 U107.2 U107.4 U107.A1 U107.A4 U107.A7 U107.A10 U107.A13 U107.A16 U107.A19 U107.B1 U107.B4 U107.B7(GND_B7) U107.B10 U107.B13 U107.B16 U107.B19 U107.G1 U107.G2 U108.2 U108.4 U108.A1 U108.A4 U108.A7 U108.A10 U108.A13 U108.A16 U108.A19 U108.B1 U108.B4 U108.B7(GND_B7) U108.B10 U108.B13 U108.B16 U108.B19 U108.G1 U108.G2 U109.2 U109.4 U109.A1 U109.A4 U109.A7 U109.A10 U109.A13 U109.A16 U109.A19 U109.B1 U109.B4 U109.B7(GND_B7) U109.B10 U109.B13 U109.B16 U109.B19 U109.G1 U109.G2 U110.2 U110.4 U110.A1 U110.A4 U110.A7 U110.A13 U110.A16 U110.A19 U110.B1 U110.B4 U110.B7 U110.B13 U110.B16 U110.B19 U110.G1 U110.G2 U111.2 U111.4 U111.A1 U111.A4 U111.A7 U111.A13 U111.A16 U111.A19 U111.B1 U111.B4 U111.B7 U111.B13 U111.B16 U111.B19 U111.G1 U111.G2 U112.2 U112.4 U112.A1 U112.A4 U112.A7 U112.A13 U112.A16 U112.A19 U112.B1 U112.B4 U112.B7 U112.B13 U112.B16 U112.B19 U112.G1 U112.G2 U113.2 U113.4 U113.A1 U113.A4 U113.A7 U113.A13 U113.A16 U113.A19 U113.B1 U113.B4 U113.B7 U113.B13 U113.B16 U113.B19 U113.G1 U113.G2 U114.2 U114.4 U114.A1 U114.A4 U114.A7 U114.A13 U114.A16 U114.A19 U114.B1 U114.B4 U114.B7 U114.B13 U114.B16 U114.B19 U114.G1 U114.G2 U115.2 U115.4 U115.A1 U115.A4 U115.A7 U115.A13 U115.A16 U115.A19 U115.B1 U115.B4 U115.B7 U115.B13 U115.B16 U115.B19 U115.G1 U115.G2 U116.2 U116.4 U116.A1 U116.A4 U116.A7 U116.A10 U116.A13 U116.A16 U116.A19 U116.B1 U116.B4 U116.B7(GND_B7) U116.B10 U116.B13 U116.B16 U116.B19 U116.G1 U116.G2 U117.2 U117.4 U117.A1 U117.A4 U117.A7 U117.A10 U117.A13 U117.A16 U117.A19 U117.B1 U117.B4 U117.B7(GND_B7) U117.B10 U117.B13 U117.B16 U117.B19 U117.G1 U117.G2 U118.2 U118.15 U119.2 U119.15 U120.2 U120.15 U121.2 U121.15 U122.2 U122.13 U122.24 U122.27 U123.2 U123.13 U123.24 U123.27 U124.2 U124.13 U124.24 U124.27 U125.2 U125.13 U125.24 U125.27 U126.2 U126.13 U126.24 U126.27 VA1.3 VA1.4(G2) VA2.3 VA2.4(G2) VA3.3 VA3.4(G2) VA4.3 VA4.4(G2) VA5.3 VA5.4(G2) VA6.3 VA6.4(G2) VA7.3 VA7.4(G2) VA8.3 VA8.4(G2) VA9.3 VA9.4(G2) VA10.3 VA10.4(G2) VA11.3 VA11.4(G2) VA12.3 VA12.4(G2) VA13.3 VA13.4(G2) VA14.3 VA14.4(G2) VA15.3 VA15.4(G2) VA16.3 VA16.4(G2) VA17.3 VA17.4(G2) VA18.3 VA18.4(G2) VA19.3 VA19.4(G2) VA20.3 VA20.4(G2) VA21.3 VA21.4(G2) VA22.3 VA22.4(G2) VA23.3 VA23.4(G2) VA24.3 VA24.4(G2) VA25.3 VA25.4(G2) VA26.3 VA26.4(G2) VA27.3 VA27.4(G2) VA28.3 VA28.4(G2) VA29.3 VA29.4(G2) VA30.3 VA30.4(G2) VA31.3 VA31.4(G2) VA32.3 VA32.4(G2) VA33.3 VA33.4(G2) VA34.3 VA34.4(G2) VA35.3 VA35.4(G2) VA36.3 VA36.4(G2) VA37.3 VA37.4(G2) VA38.3 VA38.4(G2) VA39.3 VA39.4(G2) VA40.3 VA40.4(G2) VA41.3 VA41.4(G2) VA42.3 VA42.4(G2) VA43.3 VA43.4(G2) VA44.3 VA44.4(G2) VA45.3 VA45.4(G2) VA46.3 VA46.4(G2) VA47.3 VA47.4(G2) VA48.3 VA48.4(G2) VA49.3 VA49.4(G2) VA50.3 VA50.4(G2) VA51.3 VA51.4(G2) VA52.3 VA52.4(G2) VA53.3 VA53.4(G2) VA54.3 VA54.4(G2) VA55.3 VA55.4(G2) VA56.3 VA56.4(G2) VA57.3 VA57.4(G2) VA58.3 VA58.4(G2) VA59.3 VA59.4(G2) VA60.3 VA60.4(G2) VA61.3 VA61.4(G2) VA62.3 VA62.4(G2) VA63.3 VA63.4(G2) VA64.3 VA64.4(G2) VA65.3 VA65.4(G2) VA66.3 VA66.4(G2) VA67.3 VA67.4(G2) VA68.3 VA68.4(G2) VA69.3 VA69.4(G2) VA70.3 VA70.4(G2) VA71.3 VA71.4(G2) VA72.3 VA72.4(G2) VA73.3 VA73.4(G2) VA74.3 VA74.4(G2) VA75.3 VA75.4(G2) VA76.3 VA76.4(G2) VA77.3 VA77.4(G2) VA78.3 VA78.4(G2) VA79.3 VA79.4(G2) VA80.3 VA80.4(G2) VA81.3 VA81.4(G2) VA82.3 VA82.4(G2) VA83.3 VA83.4(G2) VA84.3 VA84.4(G2) VA85.3 VA85.4(G2) VA86.3 VA86.4(G2) VA87.3 VA87.4(G2) VA88.3 VA88.4(G2) VA89.3 VA89.4(G2) VA90.3 VA90.4(G2) VA91.3 VA91.4(G2) VA92.3 VA92.4(G2) VA93.3 VA93.4(G2) VA94.3 VA94.4(G2) VA95.3 VA95.4(G2) VA96.3 VA96.4(G2) VA97.3 VA97.4(G2) VA98.3 VA98.4(G2) VA99.3 VA99.4(G2) VA100.3 VA100.4(G2) VA101.3 VA101.4(G2) VA102.3 VA102.4(G2) VA103.3 VA103.4(G2) VA104.3 VA104.4(G2) VA105.3 VA105.4(G2) VA106.3 VA106.4(G2) VA107.3 VA107.4(G2) VA108.3 VA108.4(G2) VA109.3 VA109.4(G2) VA110.3 VA110.4(G2) VA111.3 VA111.4(G2) VA112.3 VA112.4(G2) VA113.3 VA113.4(G2) VA114.3 VA114.4(G2) VA115.3 VA115.4(G2) VA116.3 VA116.4(G2) VA117.3 VA117.4(G2) VA118.3 VA118.4(G2) VA119.3 VA119.4(G2) VA120.3 VA120.4(G2) VA121.3 VA121.4(G2) VA122.3 VA122.4(G2) VA123.3 VA123.4(G2) VA124.3 VA124.4(G2) VA125.3 VA125.4(G2) VA126.3 VA126.4(G2) VA127.3 VA127.4(G2) VA128.3 VA128.4(G2) VA129.3 VA129.4(G2) VA130.3 VA130.4(G2) VA131.3 VA131.4(G2) VA132.3 VA132.4(G2) VA133.3 VA133.4(G2) VA134.3 VA134.4(G2) VA135.3 VA135.4(G2) VA136.3 VA136.4(G2) VA137.3 VA137.4(G2) VA138.3 VA138.4(G2) VA139.3 VA139.4(G2) VA140.3 VA140.4(G2) VA141.3 VA141.4(G2) VA142.3 VA142.4(G2) VA143.3 VA143.4(G2) VA144.3 VA144.4(G2) VA145.3 VA145.4(G2) VA146.3 VA146.4(G2) VA147.3 VA147.4(G2) VA148.3 VA148.4(G2)